# Altium PCB mppt.PcbDoc (part 4 of 5)
Units mm, origin at the board's own origin, x right, y up, seen from the top; angles counter-clockwise.
Board outline 161 x 166 mm, 6 copper layers (Top Layer, Layer 1, Layer 2, Layer 3, Layer 4, Bottom Layer), stack 0.815 mm thick; 460 components, 230 nets, 1421 pads, 2551 vias.
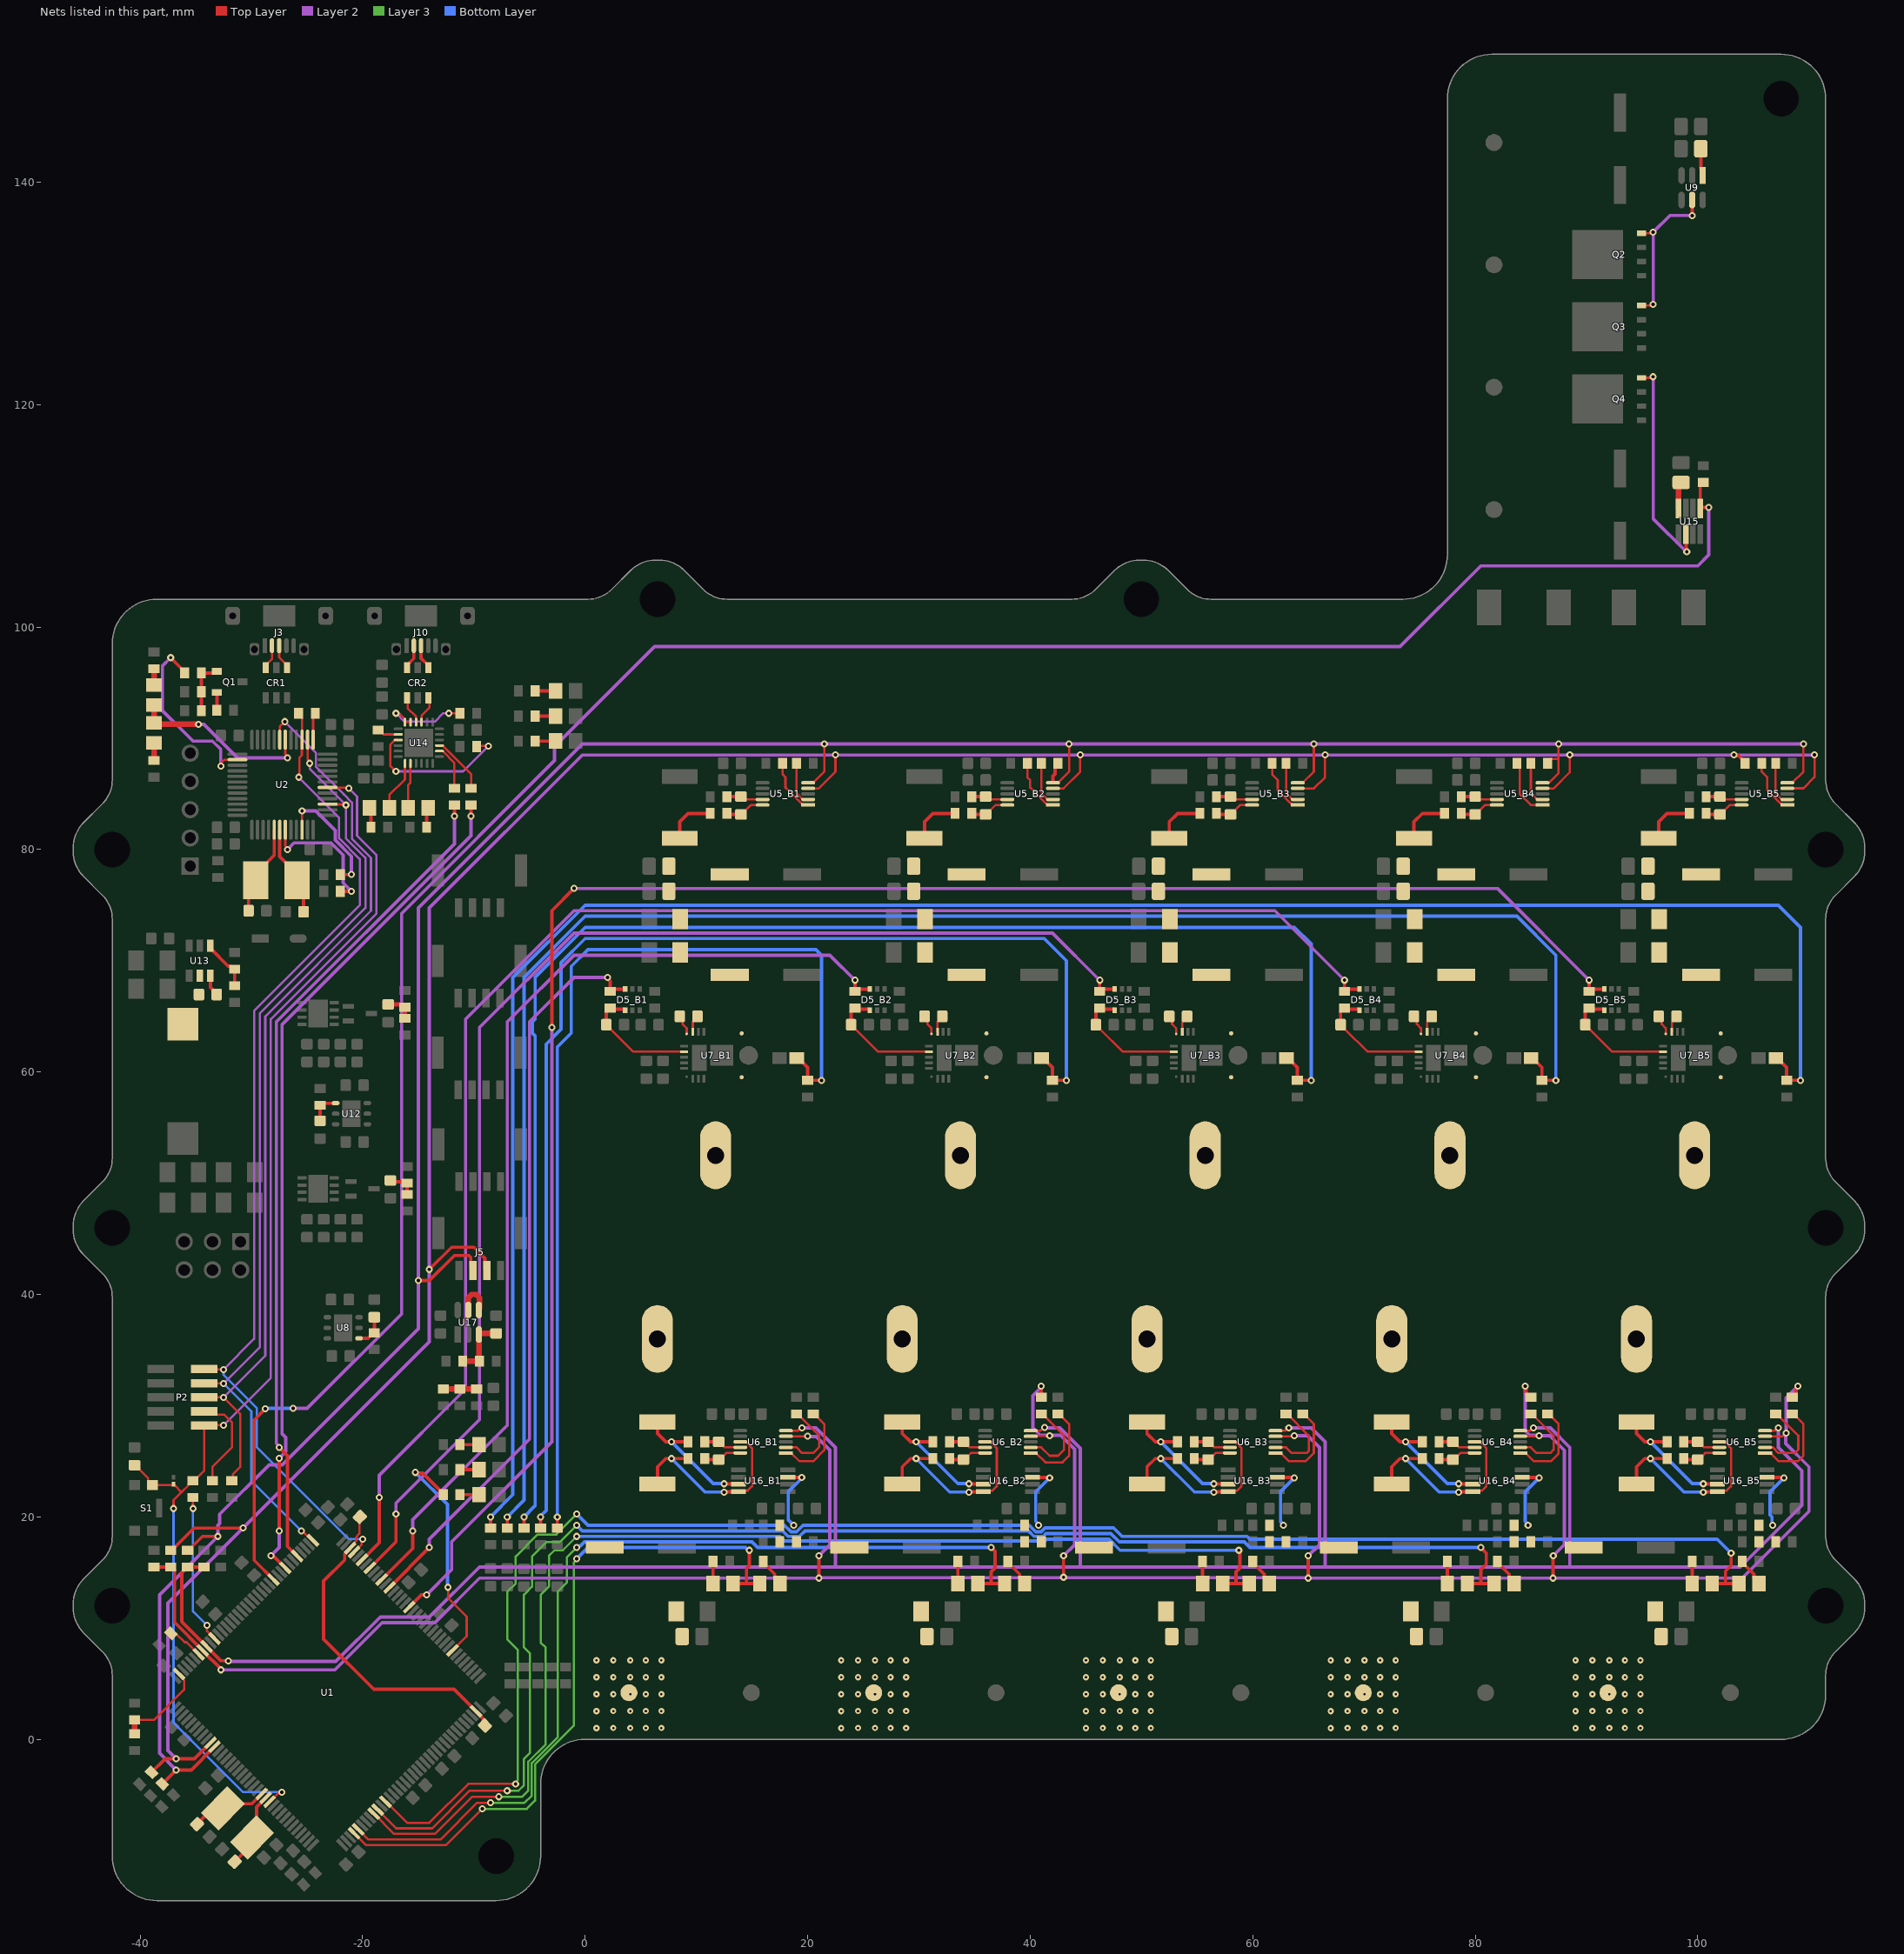
[diagram p8: the nets of this part, all layers, seen from the top]

## Via types
v1: diameter 0.635, hole 0.305, Top Layer to Bottom Layer, tented both sides, 2197 vias
v2: diameter 0.559, hole 0.203, Top Layer to Bottom Layer, tented both sides, 350 vias
v3: diameter 0.5, hole 0.2, Top Layer to Bottom Layer, 4 vias

## Nets (pads, with @x,y where several pads share a name; then routed paths per layer and width w, separated by ;. In a path a pad name is that pad's centre, name@x,y a point inside that pad or via, vN(x,y) a via of type N, cw(c..) or ccw(c..) an arc to the next point about the centre after c; other vN are vias at no path point) (continued)
INJECT_EN: R71.2 U1.119 U15.1 | length 206.9
  Top Layer w0.3: v1@-28.75,29.75 -28.75,29.71 -29.75,28.71 -29.75,16.103 U1.119@-28.011,14.365 ; U15.1@100.225,110.75 100.225,112.725 R71.2@100.25,112.75 ; U15.1@100.25,110.75 v1(101,110.75)
  Layer 2 w0.3: v1(-26.25,29.75) -25,29.75 -16.5,38.25 -16.5,74.25 -2.75,88 -2.75,89.25 6.25,98.25 73.25,98.25 80.5,105.5 100,105.5 101,106.5 v1(101,110.75)
  Bottom Layer w0.3: v1@-28.75,29.75 v1(-26.25,29.75)
  other v1: -28.74,29.72
LED: D2.K D3.A U2.30 | length 16.6
  Top Layer w0.203: U2.30@-26.95,89.875 -26.95,88.567 -26.75,88.367 v1(-26.75,88.25)
  Top Layer w0.5: D3.A@-38.75,93 D2.K@-38.75,91.4 -38.626,91.276 -34.776,91.276 v1(-34.75,91.25)
  Layer 2 w0.3: v1(-34.75,91.25) -34.25,91.25 -31.25,88.25 v1(-26.75,88.25)
LED_TOG_1: D1_B1.K D4_B1.A U1.40 | length 63.2
  Top Layer w0.203: U1.40@-20.764,-8.44 -19.703,-9.5 -12.5,-9.5 v1(-9.25,-6.25)
  Top Layer w0.3: D4_B1.A@13.3,14 14.5,14 ; v1(14.75,17) 14.75,15.625 14.5,15.375 14.5,14 ; D1_B1.K@15.7,14 14.5,14
  Layer 3 w0.2: v1(-9.25,-6.25) -5.25,-6.25 -4.5,-5.5 -4.5,-2.25 -1,1.25 -1,15.915 -0.75,16.165 v1(-0.75,16.25)
  Bottom Layer w0.3: v1(-0.75,16.25) 0.25,17.25 0.75,17.25 14.409,17.25 14.659,17 v1(14.75,17)
LED_TOG_2: D1_B2.K D4_B2.A U1.41 | length 85.3
  Top Layer w0.203: U1.41@-20.5,-8 -19.5,-9 -13,-9 -9.704,-5.704 -8.502,-5.704 v1(-8.5,-5.706)
  Top Layer w0.3: D4_B2.A@35.3,14 36.5,14 ; v1(36.5,17.25) 36.845,16.906 36.845,15.42 36.5,15.076 36.5,14 ; D1_B2.K@37.7,14 36.5,14
  Layer 3 w0.2: v1(-8.5,-5.706) -5.456,-5.706 -4.802,-5.052 -4.802,-2.125 -2.455,0.221 -2.455,13.295 -1.654,14.096 -1.654,16.346 v1(-0.75,17.25)
  Bottom Layer w0.3: v1(-0.75,17.25) -0.659,17.25 -0.508,17.402 -0.416,17.402 -0.068,17.75 15,17.75 15.5,17.25 v1(36.5,17.25)
LED_TOG_3: D1_B3.K D4_B3.A U1.45 | length 107.5
  Top Layer w0.203: U1.45@-18.996,-6.672 -17.168,-8.5 -13.5,-8.5 -10.159,-5.159 -7.752,-5.159 v1(-7.75,-5.161)
  Top Layer w0.3: D4_B3.A@57.3,14 58.5,14 ; v1(58.75,17) 58.845,16.905 58.845,15.42 58.5,15.076 58.5,14 ; D1_B3.K@59.7,14 58.5,14
  Layer 3 w0.2: v1(-7.75,-5.161) -5.661,-5.161 -5.103,-4.603 -5.103,-2 -3.544,-0.441 -3.544,8.25 -4,8.706 -4,13 -3.25,13.75 -3.25,16.5 -2.75,17 -2,17 v1(-0.75,18.25)
  Bottom Layer w0.3: v1(-0.75,18.25) 17.5,18.25 17.898,17.852 41.329,17.852 41.477,18 47.08,18 48.08,17 v1(58.75,17)
LED_TOG_4: D1_B4.K D4_B4.A U1.46 | length 130.8
  Top Layer w0.203: U1.46@-18.75,-6.25 -17,-8 -13.75,-8 -10.365,-4.615 -7.002,-4.615 v1(-7,-4.617)
  Top Layer w0.3: D4_B4.A@79.3,14 80.5,14 ; v1(80.5,17.25) 81,16.75 81,15.75 80.5,15.25 80.5,14 ; D1_B4.K@81.7,14 80.5,14
  Layer 3 w0.2: v1(-7,-4.617) -5.984,-4.617 -5.5,-4.133 -5.5,-1.75 -4.955,-1.205 -4.955,7.726 -5.5,8.27 -5.5,13 -4.771,13.729 -4.771,16.424 -3.445,17.75 -2.25,17.75 v1(-0.75,19.25)
  Bottom Layer w0.3: v1(-0.75,19.25) -0.25,18.75 17.75,18.75 18.246,18.254 19.254,18.254 19.75,18.75 39.841,18.75 40.337,18.254 41.163,18.254 41.409,18.5 47.25,18.5 48,17.75 59.25,17.75 59.75,17.25 v1(80.5,17.25)
LED_TOG_5: D1_B5.K D4_B5.A U1.48 | length 153.7
  Top Layer w0.203: U1.48@-18,-5.5 -16,-7.5 -14,-7.5 -10.5,-4 v1(-6.25,-4)
  Top Layer w0.3: D4_B5.A@101.3,14 102.5,14 ; v1(103,16.75) 103,15.625 102.5,15.125 102.5,14 ; D1_B5.K@103.7,14 102.5,14
  Layer 3 w0.2: v1(-6.25,-4) -6.25,-3.882 -6.044,-3.677 -6.044,8.045 -7,9 -7,13.25 -6.25,14 -6.25,16.445 -4.286,18.409 -2.591,18.409 v1(-0.75,20.25)
  Bottom Layer w0.3: v1(-0.75,20.25) 0.25,19.25 17.909,19.25 18.504,18.655 18.996,18.655 19.591,19.25 39.909,19.25 40.504,18.655 40.996,18.655 41.341,19 47.5,19 48.25,18.25 59.5,18.25 59.75,18 101.75,18 v1(103,16.75)
LI_1: D5_B1.3 R7_B1.2 U1.96 | length 67.5
  Top Layer w0.3: U1.96@-17.582,13.658 -17.582,13.663 -14,17.245 v1(-14,17.25) ; v1(2,68.5) 2,68.409 2.25,68.159 R7_B1.2@2.25,67.25 2.45,67.45 D5_B1.3@3.6,67.45
  Layer 2 w0.3: v1(-14,17.25) -14,18 -5,27 -5,64.5 -1,68.5 v1(2,68.5)
LI_2: D5_B2.3 R7_B2.2 U1.98 | length 91.9
  Top Layer w0.3: U1.98@-18.289,14.365 -15.5,17.153 v1(-15.5,18.75) ; v1(24.25,68.25) R7_B2.2@24.25,67.25 24.45,67.45 D5_B2.3@25.6,67.45
  Layer 2 w0.3: v1(-15.5,18.75) -15.5,19.75 -7,28.25 -7,64.5 -1,70.5 22,70.5 v1(24.25,68.25)
LI_3: D5_B3.3 R7_B3.2 U1.101 | length 116.1
  Top Layer w0.3: U1.101@-19.349,15.425 -17,17.775 v1(-17,20.25) ; v1(46.25,68.25) R7_B3.2@46.25,67.25 46.45,67.45 D5_B3.3@47.6,67.45
  Layer 2 w0.3: v1(-17,20.25) -17,21.25 -9.5,28.75 -9.5,64 -1,72.5 42,72.5 v1(46.25,68.25)
LI_4: D5_B4.3 R7_B4.2 U1.103 | length 140.5
  Top Layer w0.3: U1.103@-20.056,16.132 -18.5,17.689 v1(-18.5,21.75) ; v1(68.25,68.25) R7_B4.2@68.25,67.25 68.45,67.45 D5_B4.3@69.6,67.45
  Layer 2 w0.3: v1(-18.5,21.75) -18.5,23.75 -10.75,31.5 -10.75,64.75 -1,74.5 62,74.5 v1(68.25,68.25)
LI_5: D5_B5.3 R7_B5.2 U1.91 | length 168.1
  Top Layer w0.3: U1.91@-15.814,11.89 -14.704,13 v1(-14.25,13) ; v1(-3,64) -3,74.5 v1(-1,76.5) ; v1(90.25,68.25) R7_B5.2@90.25,67.25 90.45,67.45 D5_B5.3@91.6,67.45
  Layer 2 w0.3: v1(-14.25,13) -12,15.25 -12,17.75 -3,26.75 v1(-3,64) ; v1(-1,76.5) 82,76.5 v1(90.25,68.25)
LI_IN_B1: C28_B1.2 D5_B1.4 R7_B1.1 U7_B1.13 | length 11.2
  Top Layer w0.203: C28_B1.2@1.9,64.25 1.9,64.219 2.293,63.827 2.323,63.827 4.325,61.825 U7_B1.13@8.9,61.825
  Top Layer w0.3: C28_B1.2@1.9,64.25 1.9,65.5 2.15,65.75 R7_B1.1@2.25,65.75 2.35,65.65 3.55,65.65 3.6,65.6 D5_B1.4@3.6,65.55
LI_IN_B2: C28_B2.2 D5_B2.4 R7_B2.1 U7_B2.13 | length 11.2
  Top Layer w0.203: C28_B2.2@23.9,64.25 23.9,64.219 24.293,63.827 24.323,63.827 26.325,61.825 U7_B2.13@30.9,61.825
  Top Layer w0.3: C28_B2.2@23.9,64.25 23.9,65.5 24.15,65.75 R7_B2.1@24.25,65.75 24.35,65.65 25.55,65.65 25.6,65.6 D5_B2.4@25.6,65.55
LI_IN_B3: C28_B3.2 D5_B3.4 R7_B3.1 U7_B3.13 | length 11.2
  Top Layer w0.203: C28_B3.2@45.9,64.25 45.9,64.219 46.293,63.827 46.323,63.827 48.325,61.825 U7_B3.13@52.9,61.825
  Top Layer w0.3: C28_B3.2@45.9,64.25 45.9,65.5 46.15,65.75 R7_B3.1@46.25,65.75 46.35,65.65 47.55,65.65 47.6,65.6 D5_B3.4@47.6,65.55
LI_IN_B4: C28_B4.2 D5_B4.4 R7_B4.1 U7_B4.13 | length 11.2
  Top Layer w0.203: C28_B4.2@67.9,64.25 67.9,64.219 68.293,63.827 68.323,63.827 70.325,61.825 U7_B4.13@74.9,61.825
  Top Layer w0.3: C28_B4.2@67.9,64.25 67.9,65.5 68.15,65.75 R7_B4.1@68.25,65.75 68.35,65.65 69.55,65.65 69.6,65.6 D5_B4.4@69.6,65.55
LI_IN_B5: C28_B5.2 D5_B5.4 R7_B5.1 U7_B5.13 | length 11.2
  Top Layer w0.203: C28_B5.2@89.9,64.25 89.9,64.219 90.293,63.827 90.323,63.827 92.325,61.825 U7_B5.13@96.9,61.825
  Top Layer w0.3: C28_B5.2@89.9,64.25 89.9,65.5 90.15,65.75 R7_B5.1@90.25,65.75 90.35,65.65 91.55,65.65 91.6,65.6 D5_B5.4@91.6,65.55
NetC1_1: C1.1 C2.1 U1.71 U1.106 | length 30.3
  Top Layer w0.203: U1.106@-21.117,17.193 -21.117,17.301 -20.546,17.872 -20.546,18.226 -20.287,18.485 -20.287,19.963 C1.1@-20.25,20
  Top Layer w0.3: U1.106@-21.117,17.193 -21.117,17.154 -21.617,16.654 -21.617,16.133 -23.5,14.25 -23.5,9 -19,4.5 -11.783,4.5 U1.71@-9.803,2.521 -9.803,2.481 -9.009,1.687 C2.1@-9.009,1.241
NetC19_2: C19.2 R2.1 R3.2 | length 2.6
  Top Layer w0.381: C19.2@-17.698,66.075 -16.548,66.075 -16.298,65.825 R2.1@-16.198,65.825 R3.2@-16.198,64.825
NetC26_B1_1: C26_B1.1 U7_B1.11 | length 1.8
  Top Layer w0.203: C26_B1.1@8.5,65 8.75,64.75 8.75,64.311 9.125,63.936 U7_B1.11@9.125,63.425
NetC26_B1_2: C26_B1.2 U7_B1.10 | length 1.6
  Top Layer w0.203: U7_B1.10@9.675,63.6 9.675,64.501 10.1,64.926 C26_B1.2@10.1,65
NetC26_B2_1: C26_B2.1 U7_B2.11 | length 1.8
  Top Layer w0.203: C26_B2.1@30.5,65 30.75,64.75 30.75,64.311 31.125,63.936 U7_B2.11@31.125,63.425
NetC26_B2_2: C26_B2.2 U7_B2.10 | length 1.6
  Top Layer w0.203: U7_B2.10@31.675,63.6 31.675,64.501 32.1,64.926 C26_B2.2@32.1,65
NetC26_B3_1: C26_B3.1 U7_B3.11 | length 1.8
  Top Layer w0.203: C26_B3.1@52.5,65 52.75,64.75 52.75,64.311 53.125,63.936 U7_B3.11@53.125,63.425
NetC26_B3_2: C26_B3.2 U7_B3.10 | length 1.6
  Top Layer w0.203: U7_B3.10@53.675,63.6 53.675,64.501 54.1,64.926 C26_B3.2@54.1,65
NetC26_B4_1: C26_B4.1 U7_B4.11 | length 1.8
  Top Layer w0.203: C26_B4.1@74.5,65 74.75,64.75 74.75,64.311 75.125,63.936 U7_B4.11@75.125,63.425
NetC26_B4_2: C26_B4.2 U7_B4.10 | length 1.6
  Top Layer w0.203: U7_B4.10@75.675,63.6 75.675,64.501 76.1,64.926 C26_B4.2@76.1,65
NetC26_B5_1: C26_B5.1 U7_B5.11 | length 1.8
  Top Layer w0.203: C26_B5.1@96.5,65 96.75,64.75 96.75,64.311 97.125,63.936 U7_B5.11@97.125,63.425
NetC26_B5_2: C26_B5.2 U7_B5.10 | length 1.6
  Top Layer w0.203: U7_B5.10@97.675,63.6 97.675,64.501 98.1,64.926 C26_B5.2@98.1,65
NetC39_2: C39.2 U2.5 Y1.2 | length 8.2
  Top Layer w0.3: C39.2@-30.25,74.5 -30.25,76.6 Y1.2@-29.6,77.25 -29.6,77.825 -27.95,79.475 U2.5@-27.95,81.775
NetC40_1: C40.1 U2.6 Y1.1 | length 8.3
  Top Layer w0.3: U2.6@-27.45,81.775 -27.45,79.375 -25.9,77.825 Y1.1@-25.9,77.25 -25.313,76.663 C40.1@-25.313,74.4
NetC49_2: C49.2 R47.2 U8.1 | length 3
  Top Layer w0.3: U8.1@-20.325,36.05 -19.525,36.05 -19.3,36.275 -19.3,36.3 -19.05,36.55 R47.2@-18.95,36.55 C49.2@-18.95,37.95
NetC54_2: C54.2 R50.1 R51.2 | length 2.6
  Top Layer w0.3: C54.2@-17.5,50.25 -17.375,50.125 -16.125,50.125 R50.1@-16,50 R51.2@-16,49
NetC61_2: C61.2 R52.2 U12.1 | length 2.9
  Top Layer w0.3: C61.2@-23.824,55.61 R52.2@-23.824,57.01 -23.653,57.181 -22.444,57.181 U12.1@-22.425,57.2
NetC62_B1_1: C62_B1.1 R54_B1.1 U6_B1.9 | length 3.4
  Top Layer w0.203: C62_B1.1@12,26.75 12.042,26.75 12.542,26.25 U6_B1.9@13.949,26.25
  Top Layer w0.3: R54_B1.1@10.75,26.75 C62_B1.1@12,26.75
NetC62_B1_2: C62_B1.2 R53_B1.1 U6_B1.10 | length 3.5
  Top Layer w0.203: C62_B1.2@12,25.15 12.074,25.15 12.674,25.75 U6_B1.10@13.949,25.75
  Top Layer w0.3: R53_B1.1@10.75,25.25 10.85,25.15 C62_B1.2@12,25.15
NetC62_B2_1: C62_B2.1 R54_B2.1 U6_B2.9 | length 3.4
  Top Layer w0.203: C62_B2.1@34,26.75 34.042,26.75 34.542,26.25 U6_B2.9@35.949,26.25
  Top Layer w0.3: R54_B2.1@32.75,26.75 C62_B2.1@34,26.75
NetC62_B2_2: C62_B2.2 R53_B2.1 U6_B2.10 | length 3.5
  Top Layer w0.203: C62_B2.2@34,25.15 34.074,25.15 34.674,25.75 U6_B2.10@35.949,25.75
  Top Layer w0.3: R53_B2.1@32.75,25.25 32.85,25.15 C62_B2.2@34,25.15
NetC62_B3_1: C62_B3.1 R54_B3.1 U6_B3.9 | length 3.4
  Top Layer w0.203: C62_B3.1@56,26.75 56.042,26.75 56.542,26.25 U6_B3.9@57.949,26.25
  Top Layer w0.3: R54_B3.1@54.75,26.75 C62_B3.1@56,26.75
NetC62_B3_2: C62_B3.2 R53_B3.1 U6_B3.10 | length 3.5
  Top Layer w0.203: C62_B3.2@56,25.15 56.074,25.15 56.674,25.75 U6_B3.10@57.949,25.75
  Top Layer w0.3: R53_B3.1@54.75,25.25 54.85,25.15 C62_B3.2@56,25.15
NetC62_B4_1: C62_B4.1 R54_B4.1 U6_B4.9 | length 3.4
  Top Layer w0.203: C62_B4.1@78,26.75 78.042,26.75 78.542,26.25 U6_B4.9@79.949,26.25
  Top Layer w0.3: R54_B4.1@76.75,26.75 C62_B4.1@78,26.75
NetC62_B4_2: C62_B4.2 R53_B4.1 U6_B4.10 | length 3.5
  Top Layer w0.203: C62_B4.2@78,25.15 78.074,25.15 78.674,25.75 U6_B4.10@79.949,25.75
  Top Layer w0.3: R53_B4.1@76.75,25.25 76.85,25.15 C62_B4.2@78,25.15
NetC62_B5_1: C62_B5.1 R54_B5.1 U6_B5.9 | length 3.4
  Top Layer w0.203: C62_B5.1@100,26.75 100.042,26.75 100.542,26.25 U6_B5.9@101.949,26.25
  Top Layer w0.3: R54_B5.1@98.75,26.75 C62_B5.1@100,26.75
NetC62_B5_2: C62_B5.2 R53_B5.1 U6_B5.10 | length 3.5
  Top Layer w0.203: C62_B5.2@100,25.15 100.074,25.15 100.674,25.75 U6_B5.10@101.949,25.75
  Top Layer w0.3: R53_B5.1@98.75,25.25 98.85,25.15 C62_B5.2@100,25.15
NetC63_B1_1: C63_B1.1 R56_B1.1 U5_B1.9 | length 3.3
  Top Layer w0.203: C63_B1.1@14,84.75 14.24,84.51 15.939,84.51 U5_B1.9@15.949,84.5
  Top Layer w0.3: R56_B1.1@12.75,84.75 C63_B1.1@14,84.75
NetC63_B1_2: C63_B1.2 R55_B1.1 U5_B1.10 | length 3.6
  Top Layer w0.203: C63_B1.2@14,83.15 14.052,83.15 14.902,84 U5_B1.10@15.949,84
  Top Layer w0.3: R55_B1.1@12.75,83.25 12.85,83.15 C63_B1.2@14,83.15
NetC63_B2_1: C63_B2.1 R56_B2.1 U5_B2.9 | length 3.3
  Top Layer w0.203: C63_B2.1@36,84.75 36.24,84.51 37.939,84.51 U5_B2.9@37.949,84.5
  Top Layer w0.3: R56_B2.1@34.75,84.75 C63_B2.1@36,84.75
NetC63_B2_2: C63_B2.2 R55_B2.1 U5_B2.10 | length 3.6
  Top Layer w0.203: C63_B2.2@36,83.15 36.052,83.15 36.902,84 U5_B2.10@37.949,84
  Top Layer w0.3: R55_B2.1@34.75,83.25 34.85,83.15 C63_B2.2@36,83.15
NetC63_B3_1: C63_B3.1 R56_B3.1 U5_B3.9 | length 3.3
  Top Layer w0.203: C63_B3.1@58,84.75 58.24,84.51 59.939,84.51 U5_B3.9@59.949,84.5
  Top Layer w0.3: R56_B3.1@56.75,84.75 C63_B3.1@58,84.75
NetC63_B3_2: C63_B3.2 R55_B3.1 U5_B3.10 | length 3.6
  Top Layer w0.203: C63_B3.2@58,83.15 58.052,83.15 58.902,84 U5_B3.10@59.949,84
  Top Layer w0.3: R55_B3.1@56.75,83.25 56.85,83.15 C63_B3.2@58,83.15
NetC63_B4_1: C63_B4.1 R56_B4.1 U5_B4.9 | length 3.3
  Top Layer w0.203: C63_B4.1@80,84.75 80.24,84.51 81.939,84.51 U5_B4.9@81.949,84.5
  Top Layer w0.3: R56_B4.1@78.75,84.75 C63_B4.1@80,84.75
NetC63_B4_2: C63_B4.2 R55_B4.1 U5_B4.10 | length 3.6
  Top Layer w0.203: C63_B4.2@80,83.15 80.052,83.15 80.902,84 U5_B4.10@81.949,84
  Top Layer w0.3: R55_B4.1@78.75,83.25 78.85,83.15 C63_B4.2@80,83.15
NetC63_B5_1: C63_B5.1 R56_B5.1 U5_B5.9 | length 3.3
  Top Layer w0.203: C63_B5.1@102,84.75 102.24,84.51 103.939,84.51 U5_B5.9@103.949,84.5
  Top Layer w0.3: R56_B5.1@100.75,84.75 C63_B5.1@102,84.75
NetC63_B5_2: C63_B5.2 R55_B5.1 U5_B5.10 | length 3.6
  Top Layer w0.203: C63_B5.2@102,83.15 102.052,83.15 102.902,84 U5_B5.10@103.949,84
  Top Layer w0.3: R55_B5.1@100.75,83.25 100.85,83.15 C63_B5.2@102,83.15
NetC66_1: C66.1 U9.1 | length 2.5
  Top Layer w0.3: C66.1@100.278,143 100.278,141.24 100.45,141.068 U9.1@100.45,140.6
NetC68_1: C68.1 U13.6 | length 1.9
  Top Layer w0.3: U13.6@-33.686,68.662 -33.686,67.59 -33.112,67.017 C68.1@-33.112,66.964
NetC68_2: C68.2 L2.1 U13.5
NetC85_1: C85.1 U15.4 | length 2.2
  Top Layer w0.5: U15.4@98.275,110.651 98.275,112.497 C85.1@98.5,112.722
NetC93_2: C93.2 R31.1 R94.2 U17.3 | length 5.6
  Top Layer w0.5: R31.1@-11,34 R94.2@-9.5,34 -9.537,34.037 -9.537,36.386 U17.3@-9.55,36.4 -9.55,36.468 -9.518,36.5 C93.2@-8,36.5
NetCR1_4: CR1.4 J3.3 | length 2.2
  Top Layer w0.203: J3.3@-27.5,98.325 -27.5,97.275 -26.8,96.575 CR1.4@-26.8,96.365
NetCR1_6: CR1.6 J3.2 | length 2.2
  Top Layer w0.203: CR1.6@-28.7,96.365 -28.7,96.575 -28.15,97.125 J3.2@-28.15,98.325
NetCR2_1: CR2.1 U14.4 | length 2.5
  Top Layer w0.203: CR2.1@-16,93.635 -15.96,93.595 -15.96,92.71 -15.2,91.95 U14.4@-15.2,91.451
NetCR2_3: CR2.3 U14.3 | length 2.6
  Top Layer w0.203: U14.3@-14.7,91.451 -14.7,92.05 -14,92.75 CR2.3@-14,93.75
NetCR2_4: CR2.4 J10.3 | length 2.2
  Top Layer w0.3: J10.3@-14.75,98.325 -14.75,97.2 -14.254,96.704 -14.229,96.704 -14.1,96.575 CR2.4@-14.1,96.365
NetCR2_6: CR2.6 J10.2 | length 2.2
  Top Layer w0.3: CR2.6@-16,96.365 -16,96.575 -15.4,97.175 J10.2@-15.4,98.325
NetD1_B1_A: D1_B1.A R45_B1.2 | length 2.6
  Top Layer w0.3: R45_B1.2@16,16 16,15.9 17.05,14.85 17.05,14.45 D1_B1.A@17.5,14
NetD1_B2_A: D1_B2.A R45_B2.2 | length 2.6
  Top Layer w0.3: R45_B2.2@38,16 38,15.9 39.05,14.85 39.05,14.45 D1_B2.A@39.5,14
NetD1_B3_A: D1_B3.A R45_B3.2 | length 2.6
  Top Layer w0.3: R45_B3.2@60,16 60,15.9 61.05,14.85 61.05,14.45 D1_B3.A@61.5,14
NetD1_B4_A: D1_B4.A R45_B4.2 | length 2.6
  Top Layer w0.3: R45_B4.2@82,16 82,15.9 83.05,14.85 83.05,14.45 D1_B4.A@83.5,14
NetD1_B5_A: D1_B5.A R45_B5.2 | length 2.6
  Top Layer w0.3: R45_B5.2@104,16 104,15.9 105.05,14.85 105.05,14.45 D1_B5.A@105.5,14
NetD2_A: D2.A R43.2 | length 1.6
  Top Layer w0.5: R43.2@-38.75,88 D2.A@-38.75,89.6
NetD3_K: D3.K R44.1 | length 1.4
  Top Layer w0.5: D3.K@-38.75,94.8 R44.1@-38.75,96.25
NetD4_B1_K: D4_B1.K R46_B1.1 | length 2
  Top Layer w0.3: D4_B1.K@11.5,14 R46_B1.1@11.5,16
NetD4_B2_K: D4_B2.K R46_B2.1 | length 2
  Top Layer w0.3: D4_B2.K@33.5,14 R46_B2.1@33.5,16
NetD4_B3_K: D4_B3.K R46_B3.1 | length 2
  Top Layer w0.3: D4_B3.K@55.5,14 R46_B3.1@55.5,16
NetD4_B4_K: D4_B4.K R46_B4.1 | length 2
  Top Layer w0.3: D4_B4.K@77.5,14 R46_B4.1@77.5,16
NetD4_B5_K: D4_B5.K R46_B5.1 | length 2
  Top Layer w0.3: D4_B5.K@99.5,14 R46_B5.1@99.5,16
NetD6_A: D6.A R63.1 | length 1.8
  Top Layer w0.3: R63.1@-14.25,82 -14.25,83.6 D6.A@-14.1,83.75
NetD6_K: D6.K U14.14 | length 4.1
  Top Layer w0.203: D6.K@-15.9,83.75 -15.9,85.801 -15.7,86.001 U14.14@-15.7,87.749
NetD7_A: D7.A R64.1 | length 1.8
  Top Layer w0.3: D7.A@-19.4,83.75 -19.25,83.6 R64.1@-19.25,82
NetD7_K: D7.K U14.13 | length 4.6
  Top Layer w0.203: D7.K@-17.6,83.75 -17.6,84.9 -16.2,86.3 U14.13@-16.2,87.749
NetD9_A: D9.A R68.2 | length 2
  Top Layer w0.3: R68.2@-4.5,92 D9.A@-2.5,92
NetD10_A: D10.A R69.2 | length 2
  Top Layer w0.3: R69.2@-4.5,94.25 D10.A@-2.5,94.25
NetD11_A: D11.A R70.2 | length 1.8
  Top Layer w0.3: R70.2@-4.5,89.75 D11.A@-2.75,89.75
NetD12_A: D12.A R75.2 | length 1.7
  Top Layer w0.3: R75.2@-11.25,26.5 D12.A@-9.55,26.5
NetD13_A: D13.A R76.1 | length 1.8